# Allegro board S071AA-0413-20260427_Power3.brd (continued)
## Routing (per net, layer and track width the routed paths; a pad name or vN(x,y) marks a point on that pad's centre or on a via; arc(x,y) is an arc through that point) (continued)
; D109.B6 264.43,328.47 ; 195.85,372.57 D115.A4 ; D115.A4 196.66,373.38 ; D115.A4 195.04,373.38 ; D115.A4 195.85,374.19 ; 126.46,40.64 D124.B16 ; D124.B16 128.08,40.64 ; D124.B16 127.27,39.83 ; D124.B16 127.27,41.45 ; D110.B2 274.59,348.79 ; D110.B2 275.4,347.98 ; D110.B2 274.59,347.17 ; D110.B2 273.78,347.98 ; D428.A1 129.81,407.21 ; D428.A1 129,406.4 ; D428.A1 130.62,406.4 ; D428.A1 129.81,405.59 ; 251.73,334.47 D109.A11 ; D109.A11 250.92,335.28 ; D109.A11 251.73,336.09 ; D109.A11 252.54,335.28 ; UHC430.G2_5 45.53,364.51 ; UHC430.G2_5 44.72,363.7 ; UHC430.G2_5 46.34,363.7 ; UHC430.G2_5 45.53,362.89 ; D228.A17 89.17,397.05 ; D228.A17 88.36,396.24 ; D228.A17 89.98,396.24 ; D228.A17 89.17,395.43 ; D114.A12 175.53,353.87 ; D114.A12 175.53,352.25 ; D114.A12 176.34,353.06 ; D114.A12 174.72,353.06 ; D107.B16 275.4,60.96 ; D107.B16 273.78,60.96 ; D107.B16 274.59,60.15 ; D107.B16 274.59,61.77 ; D228.A5 120.46,396.24 ; D228.A5 118.84,396.24 ; D228.A5 119.65,397.05 ; D228.A5 119.65,395.43 ; 19.18,354.48 UHC230.G4_1 ; UHC230.G4_1 18.37,355.29 ; UHC230.G4_1 19.99,355.29 ; UHC230.G4_1 19.18,356.1 ; D120.A10 39.18,35.56 ; D120.A10 38.37,36.37 ; D120.A10 37.56,35.56 ; D120.A10 38.37,34.75 ; D121.B8 107.76,101.6 ; D121.B8 106.14,101.6 ; D121.B8 106.95,102.41 ; D121.B8 106.95,100.79 ; D122.A10 112.84,76.2 ; D122.A10 112.03,75.39 ; D122.A10 111.22,76.2 ; D122.A10 112.03,77.01 ; D432.B17 16.32,401.32 ; D432.B17 14.7,401.32 ; D432.B17 15.51,400.51 ; D432.B17 15.51,402.13 ; 23.13,397.97 D432.B14 ; D432.B14 23.13,399.59 ; D432.B14 23.94,398.78 ; D432.B14 22.32,398.78 ; 246.65,354.79 D110.A13 ; D110.A13 246.65,356.41 ; D110.A13 245.84,355.6 ; D110.A13 247.46,355.6 ; 114.57,52.53 D123.A11 ; D123.A11 114.57,54.15 ; D123.A11 113.76,53.34 ; D123.A11 115.38,53.34 ; CSDPS225.B12 102.68,332.74 ; CSDPS225.B12 101.87,331.93 ; CSDPS225.B12 101.87,333.55 ; CSDPS225.B12 101.06,332.74 ; 45.99,37.29 D120.B13 ; D120.B13 45.99,38.91 ; D120.B13 46.8,38.1 ; D120.B13 45.18,38.1 ; UHC430.G1_3 14.58,366.26 ; UHC430.G1_3 14.58,364.64 ; UHC430.G1_3 13.77,365.45 ; UHC430.G1_3 15.39,365.45 ; D118.A1 16.32,73.66 ; D118.A1 14.7,73.66 ; D118.A1 15.51,72.85 ; D118.A1 15.51,74.47 ; D103.B16 201.74,60.96 ; D103.B16 200.12,60.96 ; D103.B16 200.93,60.15 ; D103.B16 200.93,61.77 ; 187.42,38.1 D104.B11 ; D104.B11 188.23,38.91 ; D104.B11 189.04,38.1 ; D104.B11 188.23,37.29 ; 266.97,329.39 D109.B5 ; D109.B5 267.78,330.2 ; D109.B5 266.97,331.01 ; D109.B5 266.16,330.2 ; D107.B2 239.84,60.96 ; D107.B2 239.03,61.77 ; D107.B2 239.03,60.15 ; D107.B2 238.22,60.96 ; D431.B9 35.83,381.81 ; D431.B9 35.02,381 ; D431.B9 35.83,380.19 ; D431.B9 36.64,381 ; 118.84,58.42 D123.B13 ; D123.B13 120.46,58.42 ; D123.B13 119.65,57.61 ; D123.B13 119.65,59.23 ; 101.06,398.78 D428.B12 ; D428.B12 101.87,399.59 ; D428.B12 101.87,397.97 ; D428.B12 102.68,398.78 ; DPS8.B01 56.96,412.75 ; DPS8.B01 56.15,411.94 ; DPS8.B01 55.34,412.75 ; DPS8.B01 56.15,413.56 ; CSDPS226.B6 117.92,353.06 ; CSDPS226.B6 117.11,353.87 ; CSDPS226.B6 117.11,352.25 ; CSDPS226.B6 116.3,353.06 ; 99.33,329.39 CSDPS225.C13 ; CSDPS225.C13 98.52,330.2 ; CSDPS225.C13 100.14,330.2 ; CSDPS225.C13 99.33,331.01 ; 124.73,13.16 DPS3.A15 ; DPS3.A15 125.54,13.97 ; DPS3.A15 124.73,14.78 ; DPS3.A15 123.92,13.97 ; D113.B14 171.26,327.66 ; D113.B14 170.45,326.85 ; D113.B14 169.64,327.66 ; D113.B14 170.45,328.47 ; D113.B4 196.66,327.66 ; D113.B4 195.85,328.47 ; D113.B4 195.85,326.85 ; D113.B4 195.04,327.66 ; D227.B17 89.17,371.65 ; D227.B17 89.98,370.84 ; D227.B17 89.17,370.03 ; D227.B17 88.36,370.84 ; 178.07,334.47 D113.A11 ; D113.A11 178.07,336.09 ; D113.A11 177.26,335.28 ; D113.A11 178.88,335.28 ; D431.B15 20.59,381.81 ; D431.B15 19.78,381 ; D431.B15 20.59,380.19 ; D431.B15 21.4,381 ; 268.7,96.52 D105.A14 ; D105.A14 270.32,96.52 ; D105.A14 269.51,95.71 ; D105.A14 269.51,97.33 ; 52.8,383.54 D431.A2 ; D431.A2 54.42,383.54 ; D431.A2 53.61,384.35 ; D431.A2 53.61,382.73 ; 178.07,349.71 D114.B11 ; D114.B11 178.88,350.52 ; D114.B11 178.07,351.33 ; D114.B11 177.26,350.52 ; 25.67,375.11 D231.A13 ; D231.A13 24.86,375.92 ; D231.A13 26.48,375.92 ; D231.A13 25.67,376.73 ; 245.84,16.51 DPS1.B05 ; DPS1.B05 246.65,15.7 ; DPS1.B05 247.46,16.51 ; DPS1.B05 246.65,17.32 ; 99.33,395.43 D228.A13 ; D228.A13 99.33,397.05 ; D228.A13 100.14,396.24 ; D228.A13 98.52,396.24 ; 258.54,60.96 D107.B10 ; D107.B10 259.35,61.77 ; D107.B10 260.16,60.96 ; D107.B10 259.35,60.15 ; D432.B8 38.37,399.59 ; D432.B8 38.37,397.97 ; D432.B8 37.56,398.78 ; D432.B8 39.18,398.78 ; 200.12,393.7 D116.A2 ; D116.A2 200.93,392.89 ; D116.A2 200.93,394.51 ; D116.A2 201.74,393.7 ; 202.66,355.6 D114.A1 ; D114.A1 203.47,356.41 ; D114.A1 204.28,355.6 ; D114.A1 203.47,354.79 ; D231.B5 45.99,371.65 ; D231.B5 46.8,370.84 ; D231.B5 45.18,370.84 ; D231.B5 45.99,370.03 ; D112.A12 249.19,394.51 ; D112.A12 249.19,392.89 ; D112.A12 248.38,393.7 ; D112.A12 250,393.7 ; 167.1,370.84 D115.B15 ; D115.B15 167.91,371.65 ; D115.B15 168.72,370.84 ; D115.B15 167.91,370.03 ; 30.75,380.19 D431.B11 ; D431.B11 29.94,381 ; D431.B11 31.56,381 ; D431.B11 30.75,381.81 ; 244.11,75.39 D106.A4 ; D106.A4 244.11,77.01 ; D106.A4 244.92,76.2 ; D106.A4 243.3,76.2 ; D116.B6 191.58,388.62 ; D116.B6 189.96,388.62 ; D116.B6 190.77,389.43 ; D116.B6 190.77,387.81 ; D427.A15 94.25,386.89 ; D427.A15 95.06,386.08 ; D427.A15 94.25,385.27 ; D427.A15 93.44,386.08 ; 167.91,409.4 DPS2.C15 ; DPS2.C15 167.91,411.02 ; DPS2.C15 168.72,410.21 ; DPS2.C15 167.1,410.21 ; D118.A9 35.83,74.47 ; D118.A9 35.83,72.85 ; D118.A9 35.02,73.66 ; D118.A9 36.64,73.66 ; 112.03,372.57 D227.A8 ; D227.A8 112.84,373.38 ; D227.A8 112.03,374.19 ; D227.A8 111.22,373.38 ; 18.37,365.45 UHC430.G1_1 ; UHC430.G1_1 19.18,364.64 ; UHC430.G1_1 19.18,366.26 ; UHC430.G1_1 19.99,365.45 ; 246.65,32.21 D108.A5 ; D108.A5 247.46,33.02 ; D108.A5 245.84,33.02 ; D108.A5 246.65,33.83 ; D113.B3 198.39,331.01 ; D113.B3 199.2,330.2 ; D113.B3 198.39,329.39 ; D113.B3 197.58,330.2 ; D116.B8 186.5,388.62 ; D116.B8 184.88,388.62 ; D116.B8 185.69,387.81 ; D116.B8 185.69,389.43 ; 258.54,81.28 D106.B10 ; D106.B10 260.16,81.28 ; D106.B10 259.35,82.09 ; D106.B10 259.35,80.47 ; D232.A13 25.67,397.05 ; D232.A13 25.67,395.43 ; D232.A13 26.48,396.24 ; D232.A13 24.86,396.24 ; 165.37,34.75 D104.A2 ; D104.A2 165.37,36.37 ; D104.A2 166.18,35.56 ; D104.A2 164.56,35.56 ; 40.1,38.1 D120.B11 ; D120.B11 41.72,38.1 ; D120.B11 40.91,38.91 ; D120.B11 40.91,37.29 ; 202.66,412.75 DPS2.B01 ; DPS2.B01 203.47,411.94 ; DPS2.B01 203.47,413.56 ; DPS2.B01 204.28,412.75 ; 192.5,38.1 D104.B13 ; D104.B13 194.12,38.1 ; D104.B13 193.31,38.91 ; D104.B13 193.31,37.29 ; 198.39,375.11 D115.A3 ; D115.A3 197.58,375.92 ; D115.A3 198.39,376.73 ; D115.A3 199.2,375.92 ; 47.02,350.04 UHC230.G3_9 ; UHC230.G3_9 47.83,349.23 ; UHC230.G3_9 48.64,350.04 ; UHC230.G3_9 47.83,350.85 ; 123.92,99.06 D121.B15 ; D121.B15 125.54,99.06 ; D121.B15 124.73,98.25 ; D121.B15 124.73,99.87 ; D115.A8 186.5,373.38 ; D115.A8 184.88,373.38 ; D115.A8 185.69,374.19 ; D115.A8 185.69,372.57 ; 122.19,39.83 D124.B14 ; D124.B14 123,40.64 ; D124.B14 121.38,40.64 ; D124.B14 122.19,41.45 ; D101.A3 167.91,94.79 ; D101.A3 167.91,93.17 ; D101.A3 168.72,93.98 ; D101.A3 167.1,93.98 ; 238.22,327.66 D109.B16 ; D109.B16 239.03,326.85 ; D109.B16 239.84,327.66 ; D109.B16 239.03,328.47 ; D113.A7 188.23,336.09 ; D113.A7 188.23,334.47 ; D113.A7 189.04,335.28 ; D113.A7 187.42,335.28 ; D111.A16 239.03,374.19 ; D111.A16 238.22,373.38 ; D111.A16 239.84,373.38 ; D111.A16 239.03,372.57 ; D124.B10 112.03,41.45 ; D124.B10 112.84,40.64 ; D124.B10 112.03,39.83 ; D124.B10 111.22,40.64 ; D119.A14 48.53,56.69 ; D119.A14 47.72,55.88 ; D119.A14 49.34,55.88 ; D119.A14 48.53,55.07 ; D116.B15 168.72,391.16 ; D116.B15 167.91,390.35 ; D116.B15 167.91,391.97 ; D116.B15 167.1,391.16 ; 126.46,378.46 D427.B2 ; D427.B2 128.08,378.46 ; D427.B2 127.27,379.27 ; D427.B2 127.27,377.65 ; 121.38,55.88 D123.A14 ; D123.A14 122.19,56.69 ; D123.A14 123,55.88 ; D123.A14 122.19,55.07 ; D102.A3 168.72,73.66 ; D102.A3 167.91,72.85 ; D102.A3 167.1,73.66 ; D102.A3 167.91,74.47 ; 25.67,52.53 D119.A5 ; D119.A5 24.86,53.34 ; D119.A5 26.48,53.34 ; D119.A5 25.67,54.15 ; CSDPS426.C1 130.62,360.68 ; CSDPS426.C1 129.81,361.49 ; CSDPS426.C1 129.81,359.87 ; CSDPS426.C1 129,360.68 ; D106.B2 239.84,81.28 ; D106.B2 239.03,82.09 ; D106.B2 238.22,81.28 ; D106.B2 239.03,80.47 ; D227.A13 100.14,375.92 ; D227.A13 99.33,375.11 ; D227.A13 98.52,375.92 ; D227.A13 99.33,376.73 ; UHC230.G3_1 48.98,356.1 ; UHC230.G3_1 48.98,354.48 ; UHC230.G3_1 49.79,355.29 ; UHC230.G3_1 48.17,355.29 ; D116.A15 168.72,396.24 ; D116.A15 167.1,396.24 ; D116.A15 167.91,397.05 ; D116.A15 167.91,395.43 ; D116.B16 165.37,389.43 ; D116.B16 165.37,387.81 ; D116.B16 166.18,388.62 ; D116.B16 164.56,388.62 ; D104.A10 186.5,35.56 ; D104.A10 185.69,36.37 ; D104.A10 185.69,34.75 ; D104.A10 184.88,35.56 ; D227.B15 95.06,370.84 ; D227.B15 94.25,371.65 ; D227.B15 93.44,370.84 ; D227.B15 94.25,370.03 ; D116.B11 178.88,391.16 ; D116.B11 177.26,391.16 ; D116.B11 178.07,391.97 ; D116.B11 178.07,390.35 ; 114.57,339.55 CSDPS425.C7 ; CSDPS425.C7 114.57,341.17 ; CSDPS425.C7 115.38,340.36 ; CSDPS425.C7 113.76,340.36 ; 106.14,35.56 D124.A8 ; D124.A8 106.95,36.37 ; D124.A8 106.95,34.75 ; D124.A8 107.76,35.56 ; CSDPS429.C3 51.07,341.17 ; CSDPS429.C3 51.88,340.36 ; CSDPS429.C3 51.07,339.55 ; CSDPS429.C3 50.26,340.36 ; 121.38,342.9 CSDPS425.B4 ; CSDPS425.B4 122.19,343.71 ; CSDPS425.B4 123,342.9 ; CSDPS425.B4 122.19,342.09 ; D104.B6 175.53,41.45 ; D104.B6 176.34,40.64 ; D104.B6 175.53,39.83 ; D104.B6 174.72,40.64 ; D110.A12 250,353.06 ; D110.A12 249.19,352.25 ; D110.A12 248.38,353.06 ; D110.A12 249.19,353.87 ; 95.98,373.38 D227.A14 ; D227.A14 97.6,373.38 ; D227.A14 96.79,372.57 ; D227.A14 96.79,374.19 ; D428.B10 107.76,398.78 ; D428.B10 106.95,399.59 ; D428.B10 106.95,397.97 ; D428.B10 106.14,398.78 ; D114.A4 196.66,353.06 ; D114.A4 195.85,352.25 ; D114.A4 195.04,353.06 ; D114.A4 195.85,353.87 ; 101.87,382.73 D427.A12 ; D427.A12 101.06,383.54 ; D427.A12 102.68,383.54 ; D427.A12 101.87,384.35 ; CSDPS229.B14 23.13,333.55 ; CSDPS229.B14 23.94,332.74 ; CSDPS229.B14 23.13,331.93 ; CSDPS229.B14 22.32,332.74 ; 183.15,370.03 D115.B9 ; D115.B9 183.15,371.65 ; D115.B9 183.96,370.84 ; D115.B9 182.34,370.84 ; D116.A11 178.07,397.05 ; D116.A11 177.26,396.24 ; D116.A11 178.88,396.24 ; D116.A11 178.07,395.43 ; 197.58,93.98 D101.A15 ; D101.A15 198.39,93.17 ; D101.A15 199.2,93.98 ; D101.A15 198.39,94.79 ; 89.17,37.29 D124.B1 ; D124.B1 88.36,38.1 ; D124.B1 89.98,38.1 ; D124.B1 89.17,38.91 ; 15.51,32.21 D120.A1 ; D120.A1 14.7,33.02 ; D120.A1 15.51,33.83 ; D120.A1 16.32,33.02 ; UHC230.G4_8 15.39,351.79 ; UHC230.G4_8 13.77,351.79 ; UHC230.G4_8 14.58,350.98 ; UHC230.G4_8 14.58,352.6 ; 40.91,375.11 D231.A7 ; D231.A7 41.72,375.92 ; D231.A7 40.1,375.92 ; D231.A7 40.91,376.73 ; D110.B13 247.46,350.52 ; D110.B13 246.65,349.71 ; D110.B13 245.84,350.52 ; D110.B13 246.65,351.33 ; DPS3.B11 114.57,17.32 ; DPS3.B11 113.76,16.51 ; DPS3.B11 115.38,16.51 ; DPS3.B11 114.57,15.7 ; CSDPS426.B10 107.76,363.22 ; CSDPS426.B10 106.95,362.41 ; CSDPS426.B10 106.14,363.22 ; CSDPS426.B10 106.95,364.03 ; CSDPS425.B6 117.92,342.9 ; CSDPS425.B6 117.11,343.71 ; CSDPS425.B6 117.11,342.09 ; CSDPS425.B6 116.3,342.9 ; UHC230.G4_6 19.99,351.79 ; UHC230.G4_6 19.18,352.6 ; UHC230.G4_6 19.18,350.98 ; UHC230.G4_6 18.37,351.79 ; D228.B3 125.54,391.16 ; D228.B3 124.73,390.35 ; D228.B3 123.92,391.16 ; D228.B3 124.73,391.97 ; D431.A13 26.48,386.08 ; D431.A13 24.86,386.08 ; D431.A13 25.67,385.27 ; D431.A13 25.67,386.89 ; D231.A2 54.42,373.38 ; D231.A2 52.8,373.38 ; D231.A2 53.61,374.19 ; D231.A2 53.61,372.57 ; 29.94,396.24 D232.A11 ; D232.A11 30.75,395.43 ; D232.A11 31.56,396.24 ; D232.A11 30.75,397.05 ; 195.04,76.2 D102.A14 ; D102.A14 196.66,76.2 ; D102.A14 195.85,77.01 ; D102.A14 195.85,75.39 ; 238.22,347.98 D110.B16 ; D110.B16 239.84,347.98 ; D110.B16 239.03,348.79 ; D110.B16 239.03,347.17 ; D105.B14 269.51,102.41 ; D105.B14 270.32,101.6 ; D105.B14 269.51,100.79 ; D105.B14 268.7,101.6 ; 111.22,383.54 D427.A8 ; D427.A8 112.03,382.73 ; D427.A8 112.84,383.54 ; D427.A8 112.03,384.35 ; 45.99,411.94 DPS8.B05 ; DPS8.B05 46.8,412.75 ; DPS8.B05 45.99,413.56 ; DPS8.B05 45.18,412.75 ; D427.B16 92.52,378.46 ; D427.B16 90.9,378.46 ; D427.B16 91.71,379.27 ; D427.B16 91.71,377.65 ; 50.26,375.92 D231.A3 ; D231.A3 51.07,376.73 ; D231.A3 51.88,375.92 ; D231.A3 51.07,375.11 ; D121.B6 101.87,102.41 ; D121.B6 101.06,101.6 ; D121.B6 101.87,100.79 ; D121.B6 102.68,101.6 ; 203.47,329.39 D113.B1 ; D113.B1 204.28,330.2 ; D113.B1 203.47,331.01 ; D113.B1 202.66,330.2 ; D231.A14 23.13,374.19 ; D231.A14 23.94,373.38 ; D231.A14 23.13,372.57 ; D231.A14 22.32,373.38 ; D109.A4 269.51,333.55 ; D109.A4 269.51,331.93 ; D109.A4 268.7,332.74 ; D109.A4 270.32,332.74 ; 47.72,378.46 D431.B4 ; D431.B4 48.53,379.27 ; D431.B4 49.34,378.46 ; D431.B4 48.53,377.65 ; 241.57,57.61 D107.B3 ; D107.B3 241.57,59.23 ; D107.B3 240.76,58.42 ; D107.B3 242.38,58.42 ; 18.05,342.09 CSDPS429.B16 ; CSDPS429.B16 17.24,342.9 ; CSDPS429.B16 18.05,343.71 ; CSDPS429.B16 18.86,342.9 ; 45.99,400.51 D432.B5 ; D432.B5 46.8,401.32 ; D432.B5 45.99,402.13 ; D432.B5 45.18,401.32 ; 127.27,367.49 D227.B2 ; D227.B2 128.08,368.3 ; D227.B2 127.27,369.11 ; D227.B2 126.46,368.3 ; UHC430.G2_10 46.34,360.2 ; UHC430.G2_10 44.72,360.2 ; UHC430.G2_10 45.53,361.01 ; UHC430.G2_10 45.53,359.39 ; D432.A2 54.42,403.86 ; D432.A2 53.61,404.67 ; D432.A2 53.61,403.05 ; D432.A2 52.8,403.86 ; D102.A8 181.42,76.2 ; D102.A8 180.61,77.01 ; D102.A8 180.61,75.39 ; D102.A8 179.8,76.2 ; D431.A9 36.64,386.08 ; D431.A9 35.83,385.27 ; D431.A9 35.02,386.08 ; D431.A9 35.83,386.89 ; D108.B5 247.46,38.1 ; D108.B5 246.65,38.91 ; D108.B5 245.84,38.1 ; D108.B5 246.65,37.29 ; D101.B16 201.74,101.6 ; D101.B16 200.93,100.79 ; D101.B16 200.12,101.6 ; D101.B16 200.93,102.41 ; 91.71,60.15 D123.B2 ; D123.B2 91.71,61.77 ; D123.B2 92.52,60.96 ; D123.B2 90.9,60.96 ; 172.99,77.93 D102.B5 ; D102.B5 173.8,78.74 ; D102.B5 172.99,79.55 ; D102.B5 172.18,78.74 ; 258.54,373.38 D111.A8 ; D111.A8 259.35,374.19 ; D111.A8 260.16,373.38 ; D111.A8 259.35,372.57 ; D428.B5 119.65,402.13 ; D428.B5 120.46,401.32 ; D428.B5 119.65,400.51 ; D428.B5 118.84,401.32 ; D106.B15 272.05,79.55 ; D106.B15 272.05,77.93 ; D106.B15 272.86,78.74 ; D106.B15 271.24,78.74 ; 178.07,52.53 D103.A7 ; D103.A7 178.88,53.34 ; D103.A7 177.26,53.34 ; D103.A7 178.07,54.15 ; D108.B1 236.49,38.91 ; D108.B1 237.3,38.1 ; D108.B1 236.49,37.29 ; D108.B1 235.68,38.1 ; 95.98,388.62 D228.B14 ; D228.B14 96.79,389.43 ; D228.B14 97.6,388.62 ; D228.B14 96.79,387.81 ; D231.A12 29.02,373.38 ; D231.A12 28.21,372.57 ; D231.A12 28.21,374.19 ; D231.A12 27.4,373.38 ; D115.B11 178.07,371.65 ; D115.B11 178.07,370.03 ; D115.B11 177.26,370.84 ; D115.B11 178.88,370.84 ; 256.81,93.17 D105.A9 ; D105.A9 257.62,93.98 ; D105.A9 256,93.98 ; D105.A9 256.81,94.79 ; 248.38,96.52 D105.A6 ; D105.A6 249.19,95.71 ; D105.A6 250,96.52 ; D105.A6 249.19,97.33 ; 119.65,349.71 CSDPS226.C5 ; CSDPS226.C5 118.84,350.52 ; CSDPS226.C5 119.65,351.33 ; CSDPS226.C5 120.46,350.52 ; CSDPS225.B16 91.71,333.55 ; CSDPS225.B16 92.52,332.74 ; CSDPS225.B16 90.9,332.74 ; CSDPS225.B16 91.71,331.93 ; 88.36,78.74 D122.B1 ; D122.B1 89.17,77.93 ; D122.B1 89.98,78.74 ; D122.B1 89.17,79.55 ; 182.34,330.2 D113.B9 ; D113.B9 183.96,330.2 ; D113.B9 183.15,329.39 ; D113.B9 183.15,331.01 ; 111.22,368.3 D227.B8 ; D227.B8 112.03,367.49 ; D227.B8 112.03,369.11 ; D227.B8 112.84,368.3 ; 40.91,329.39 CSDPS229.C7 ; CSDPS229.C7 40.1,330.2 ; CSDPS229.C7 40.91,331.01 ; CSDPS229.C7 41.72,330.2 ; D115.A16 166.18,373.38 ; D115.A16 164.56,373.38 ; D115.A16 165.37,374.19 ; D115.A16 165.37,372.57 ; D103.A13 193.31,54.15 ; D103.A13 193.31,52.53 ; D103.A13 192.5,53.34 ; D103.A13 194.12,53.34 ; D432.B7 40.91,402.13 ; D432.B7 41.72,401.32 ; D432.B7 40.1,401.32 ; D432.B7 40.91,400.51 ; 254.27,352.25 D110.A10 ; D110.A10 255.08,353.06 ; D110.A10 254.27,353.87 ; D110.A10 253.46,353.06 ; UHC230.G3_3 44.38,356.1 ; UHC230.G3_3 45.19,355.29 ; UHC230.G3_3 44.38,354.48 ; UHC230.G3_3 43.57,355.29 ; 17.24,388.62 D232.B16 ; D232.B16 18.86,388.62 ; D232.B16 18.05,389.43 ; D232.B16 18.05,387.81 ; 258.54,327.66 D109.B8 ; D109.B8 259.35,328.47 ; D109.B8 259.35,326.85 ; D109.B8 260.16,327.66 ; 17.24,35.56 D120.A2 ; D120.A2 18.05,34.75 ; D120.A2 18.05,36.37 ; D120.A2 18.86,35.56 ; 240.76,78.74 D106.B3 ; D106.B3 241.57,77.93 ; D106.B3 241.57,79.55 ; D106.B3 242.38,78.74 ; D107.A12 264.43,56.69 ; D107.A12 264.43,55.07 ; D107.A12 265.24,55.88 ; D107.A12 263.62,55.88 ; D232.B11 30.75,391.97 ; D232.B11 30.75,390.35 ; D232.B11 29.94,391.16 ; D232.B11 31.56,391.16 ; D110.A8 259.35,353.87 ; D110.A8 259.35,352.25 ; D110.A8 258.54,353.06 ; D110.A8 260.16,353.06 ; 35.02,330.2 CSDPS229.C9 ; CSDPS229.C9 36.64,330.2 ; CSDPS229.C9 35.83,331.01 ; CSDPS229.C9 35.83,329.39 ; 90.9,35.56 D124.A2 ; D124.A2 92.52,35.56 ; D124.A2 91.71,34.75 ; D124.A2 91.71,36.37 ; 195.04,60.96 D103.B14 ; D103.B14 195.85,60.15 ; D103.B14 195.85,61.77 ; D103.B14 196.66,60.96 ; D115.A7 189.04,375.92 ; D115.A7 188.23,375.11 ; D115.A7 187.42,375.92 ; D115.A7 188.23,376.73 ; 264.43,39.83 D108.B12 ; D108.B12 265.24,40.64 ; D108.B12 263.62,40.64 ; D108.B12 264.43,41.45 ; 164.56,393.7 D116.A16 ; D116.A16 165.37,392.89 ; D116.A16 165.37,394.51 ; D116.A16 166.18,393.7 ; CSDPS225.C3 125.54,330.2 ; CSDPS225.C3 124.73,329.39 ; CSDPS225.C3 124.73,331.01 ; CSDPS225.C3 123.92,330.2 ; 174.72,60.96 D103.B6 ; D103.B6 176.34,60.96 ; D103.B6 175.53,60.15 ; D103.B6 175.53,61.77 ; 27.4,378.46 D431.B12 ; D431.B12 29.02,378.46 ; D431.B12 28.21,379.27 ; D431.B12 28.21,377.65 ; 261.89,37.29 D108.B11 ; D108.B11 261.08,38.1 ; D108.B11 261.89,38.91 ; D108.B11 262.7,38.1 ; D101.B15 199.2,99.06 ; D101.B15 198.39,98.25 ; D101.B15 198.39,99.87 ; D101.B15 197.58,99.06 ; 122.19,392.89 D228.A4 ; D228.A4 123,393.7 ; D228.A4 121.38,393.7 ; D228.A4 122.19,394.51 ; D432.A11 30.75,407.21 ; D432.A11 31.56,406.4 ; D432.A11 30.75,405.59 ; D432.A11 29.94,406.4 ; D110.A5 266.97,356.41 ; D110.A5 266.16,355.6 ; D110.A5 266.97,354.79 ; D110.A5 267.78,355.6 ; 114.57,98.25 D121.B11 ; D121.B11 115.38,99.06 ; D121.B11 113.76,99.06 ; D121.B11 114.57,99.87 ; 42.64,383.54 D431.A6 ; D431.A6 43.45,384.35 ; D431.A6 44.26,383.54 ; D431.A6 43.45,382.73 ; 51.07,380.19 D431.B3 ; D431.B3 50.26,381 ; D431.B3 51.07,381.81 ; D431.B3 51.88,381 ; D232.B1 56.96,391.16 ; D232.B1 56.15,390.35 ; D232.B1 56.15,391.97 ; D232.B1 55.34,391.16 ; D102.A16 200.93,77.01 ; D102.A16 200.12,76.2 ; D102.A16 200.93,75.39 ; D102.A16 201.74,76.2 ; 29.94,401.32 D432.B11 ; D432.B11 31.56,401.32 ; D432.B11 30.75,400.51 ; D432.B11 30.75,402.13 ; D228.A15 94.25,397.05 ; D228.A15 93.44,396.24 ; D228.A15 95.06,396.24 ; D228.A15 94.25,395.43 ; D120.B10 39.18,40.64 ; D120.B10 38.37,39.83 ; D120.B10 38.37,41.45 ; D120.B10 37.56,40.64 ; D428.A10 107.76,403.86 ; D428.A10 106.95,404.67 ; D428.A10 106.95,403.05 ; D428.A10 106.14,403.86 ; D124.B2 91.71,41.45 ; D124.B2 91.71,39.83 ; D124.B2 90.9,40.64 ; D124.B2 92.52,40.64 ; D428.A15 95.06,406.4 ; D428.A15 93.44,406.4 ; D428.A15 94.25,407.21 ; D428.A15 94.25,405.59 ; D431.A1 56.15,386.89 ; D431.A1 55.34,386.08 ; D431.A1 56.96,386.08 ; D431.A1 56.15,385.27 ; 129.81,375.11 D227.A1 ; D227.A1 129,375.92 ; D227.A1 130.62,375.92 ; D227.A1 129.81,376.73 ; 123.92,375.92 D227.A3 ; D227.A3 124.73,376.73 ; D227.A3 124.73,375.11 ; D227.A3 125.54,375.92 ; D428.B11 104.41,402.13 ; D428.B11 104.41,400.51 ; D428.B11 105.22,401.32 ; D428.B11 103.6,401.32 ; D105.A7 252.54,93.98 ; D105.A7 251.73,94.79 ; D105.A7 250.92,93.98 ; D105.A7 251.73,93.17 ; D104.B3 168.72,38.1 ; D104.B3 167.91,37.29 ; D104.B3 167.1,38.1 ; D104.B3 167.91,38.91 ; D122.B6 101.87,82.09 ; D122.B6 102.68,81.28 ; D122.B6 101.87,80.47 ; D122.B6 101.06,81.28 ; D112.A11 251.73,397.05 ; D112.A11 252.54,396.24 ; D112.A11 250.92,396.24 ; D112.A11 251.73,395.43 ; D124.A1 89.17,33.83 ; D124.A1 88.36,33.02 ; D124.A1 89.98,33.02 ; D124.A1 89.17,32.21 ; D110.A3 272.05,356.41 ; D110.A3 272.86,355.6 ; D110.A3 271.24,355.6 ; D110.A3 272.05,354.79 ; 119.65,390.35 D228.B5 ; D228.B5 118.84,391.16 ; D228.B5 119.65,391.97 ; D228.B5 120.46,391.16 ; D114.B13 173.8,350.52 ; D114.B13 172.99,349.71 ; D114.B13 172.18,350.52 ; D114.B13 172.99,351.33 ; D122.A9 110.3,73.66 ; D122.A9 109.49,74.47 ; D122.A9 109.49,72.85 ; D122.A9 108.68,73.66 ; 187.42,350.52 D114.B7 ; D114.B7 188.23,351.33 ; D114.B7 189.04,350.52 ; D114.B7 188.23,349.71 ; 174.72,35.56 D104.A6 ; D104.A6 175.53,34.75 ; D104.A6 175.53,36.37 ; D104.A6 176.34,35.56 ; D124.A6 101.87,36.37 ; D124.A6 101.87,34.75 ; D124.A6 101.06,35.56 ; D124.A6 102.68,35.56 ; 195.04,101.6 D101.B14 ; D101.B14 195.85,102.41 ; D101.B14 196.66,101.6 ; D101.B14 195.85,100.79 ; D103.B8 180.61,61.77 ; D103.B8 180.61,60.15 ; D103.B8 179.8,60.96 ; D103.B8 181.42,60.96 ; 202.66,396.24 D116.A1 ; D116.A1 204.28,396.24 ; D116.A1 203.47,395.43 ; D116.A1 203.47,397.05 ; UHC430.G1_5 15.73,364.51 ; UHC430.G1_5 14.92,363.7 ; UHC430.G1_5 15.73,362.89 ; UHC430.G1_5 16.54,363.7 ; 33.29,39.83 D120.B8 ; D120.B8 33.29,41.45 ; D120.B8 34.1,40.64 ; D120.B8 32.48,40.64 ; D112.B6 264.43,389.43 ; D112.B6 265.24,388.62 ; D112.B6 263.62,388.62 ; D112.B6 264.43,387.81 ; 33.29,342.09 CSDPS429.B10 ; CSDPS429.B10 34.1,342.9 ; CSDPS429.B10 32.48,342.9 ; CSDPS429.B10 33.29,343.71 ; 89.17,98.25 D121.B1 ; D121.B1 89.98,99.06 ; D121.B1 88.36,99.06 ; D121.B1 89.17,99.87 ; 29.94,38.1 D120.B7 ; D120.B7 30.75,38.91 ; D120.B7 30.75,37.29 ; D120.B7 31.56,38.1 ; D123.B6 101.87,61.77 ; D123.B6 101.87,60.15 ; D123.B6 102.68,60.96 ; D123.B6 101.06,60.96 ; 47.72,332.74 CSDPS229.B4 ; CSDPS229.B4 48.53,333.55 ; CSDPS229.B4 48.53,331.93 ; CSDPS229.B4 49.34,332.74 ; 93.44,401.32 D428.B15 ; D428.B15 94.25,400.51 ; D428.B15 95.06,401.32 ; D428.B15 94.25,402.13 ; D108.A10 259.35,36.37 ; D108.A10 259.35,34.75 ; D108.A10 260.16,35.56 ; D108.A10 258.54,35.56 ; 192.5,396.24 D116.A5 ; D116.A5 193.31,397.05 ; D116.A5 193.31,395.43 ; D116.A5 194.12,396.24 ; CSDPS425.C11 105.22,340.36 ; CSDPS425.C11 104.41,339.55 ; CSDPS425.C11 104.41,341.17 ; CSDPS425.C11 103.6,340.36 ; 179.8,393.7 D116.A10 ; D116.A10 180.61,394.51 ; D116.A10 181.42,393.7 ; D116.A10 180.61,392.89 ; D428.A12 101.87,404.67 ; D428.A12 101.87,403.05 ; D428.A12 101.06,403.86 ; D428.A12 102.68,403.86 ; D112.A13 247.46,396.24 ; D112.A13 246.65,397.05 ; D112.A13 246.65,395.43 ; D112.A13 245.84,396.24 ; 19.78,340.36 CSDPS429.C15 ; CSDPS429.C15 20.59,341.17 ; CSDPS429.C15 20.59,339.55 ; CSDPS429.C15 21.4,340.36 ; 256,370.84 D111.B9 ; D111.B9 256.81,370.03 ; D111.B9 256.81,371.65 ; D111.B9 257.62,370.84 ; 126.46,403.86 D428.A2 ; D428.A2 127.27,404.67 ; D428.A2 128.08,403.86 ; D428.A2 127.27,403.05 ; D115.B12 175.53,369.11 ; D115.B12 175.53,367.49 ; D115.B12 174.72,368.3 ; D115.B12 176.34,368.3 ; 122.19,362.41 CSDPS426.B4 ; CSDPS426.B4 122.19,364.03 ; CSDPS426.B4 123,363.22 ; CSDPS426.B4 121.38,363.22 ; CSDPS229.B10 34.1,332.74 ; CSDPS229.B10 33.29,333.55 ; CSDPS229.B10 32.48,332.74 ; CSDPS229.B10 33.29,331.93 ; D102.A15 199.2,73.66 ; D102.A15 197.58,73.66 ; D102.A15 198.39,74.47 ; D102.A15 198.39,72.85 ; 165.37,326.85 D113.B16 ; D113.B16 166.18,327.66 ; D113.B16 165.37,328.47 ; D113.B16 164.56,327.66 ; 129.81,390.35 D228.B1 ; D228.B1 129.81,391.97 ; D228.B1 129,391.16 ; D228.B1 130.62,391.16 ; 259.35,331.93 D109.A8 ; D109.A8 259.35,333.55 ; D109.A8 258.54,332.74 ; D109.A8 260.16,332.74 ; D119.A7 30.75,54.15 ; D119.A7 31.56,53.34 ; D119.A7 29.94,53.34 ; D119.A7 30.75,52.53 ; 19.78,396.24 D232.A15 ; D232.A15 21.4,396.24 ; D232.A15 20.59,397.05 ; D232.A15 20.59,395.43 ; 126.46,96.52 D121.A16 ; D121.A16 128.08,96.52 ; D121.A16 127.27,97.33 ; D121.A16 127.27,95.71 ; D428.A16 91.71,404.67 ; D428.A16 92.52,403.86 ; D428.A16 90.9,403.86 ; D428.A16 91.71,403.05 ; UHC430.G2_3 45.19,365.45 ; UHC430.G2_3 43.57,365.45 ; UHC430.G2_3 44.38,364.64 ; UHC430.G2_3 44.38,366.26 ; 167.91,52.53 D103.A3 ; D103.A3 167.1,53.34 ; D103.A3 167.91,54.15 ; D103.A3 168.72,53.34 ; UHC230.G4_11 19.99,348.29 ; UHC230.G4_11 19.18,349.1 ; UHC230.G4_11 18.37,348.29 ; UHC230.G4_11 19.18,347.48 ; 20.59,370.03 D231.B15 ; D231.B15 20.59,371.65 ; D231.B15 19.78,370.84 ; D231.B15 21.4,370.84 ; CSDPS229.C5 46.8,330.2 ; CSDPS229.C5 45.18,330.2 ; CSDPS229.C5 45.99,329.39 ; CSDPS229.C5 45.99,331.01 ; D109.B1 277.94,330.2 ; D109.B1 277.13,329.39 ; D109.B1 277.13,331.01 ; D109.B1 276.32,330.2 ; 19.78,386.08 D431.A15 ; D431.A15 20.59,385.27 ; D431.A15 21.4,386.08 ; D431.A15 20.59,386.89 ; D428.B7 115.38,401.32 ; D428.B7 114.57,402.13 ; D428.B7 114.57,400.51 ; D428.B7 113.76,401.32 ; 121.38,373.38 D227.A4 ; D227.A4 122.19,372.57 ; D227.A4 123,373.38 ; D227.A4 122.19,374.19 ; D116.B3 198.39,391.97 ; D116.B3 198.39,390.35 ; D116.B3 197.58,391.16 ; D116.B3 199.2,391.16 ; D104.A16 201.74,35.56 ; D104.A16 200.93,34.75 ; D104.A16 200.93,36.37 ; D104.A16 200.12,35.56 ; 14.58,354.48 UHC230.G4_3 ; UHC230.G4_3 13.77,355.29 ; UHC230.G4_3 15.39,355.29 ; UHC230.G4_3 14.58,356.1 ; D104.A15 198.39,33.83 ; D104.A15 199.2,33.02 ; D104.A15 197.58,33.02 ; D104.A15 198.39,32.21 ; D231.B8 39.18,368.3 ; D231.B8 38.37,367.49 ; D231.B8 37.56,368.3 ; D231.B8 38.37,369.11 ; 174.72,327.66 D113.B12 ; D113.B12 176.34,327.66 ; D113.B12 175.53,328.47 ; D113.B12 175.53,326.85 ; DPS3.C11 114.57,19.86 ; DPS3.C11 114.57,18.24 ; DPS3.C11 115.38,19.05 ; DPS3.C11 113.76,19.05 ; D122.B7 104.41,79.55 ; D122.B7 104.41,77.93 ; D122.B7 103.6,78.74 ; D122.B7 105.22,78.74 ; 47.72,393.7 D232.A4 ; D232.A4 49.34,393.7 ; D232.A4 48.53,392.89 ; D232.A4 48.53,394.51 ; 98.52,401.32 D428.B13 ; D428.B13 99.33,400.51 ; D428.B13 100.14,401.32 ; D428.B13 99.33,402.13 ; 243.3,81.28 D106.B4 ; D106.B4 244.11,82.09 ; D106.B4 244.92,81.28 ; D106.B4 244.11,80.47 ; 118.84,360.68 CSDPS426.C5 ; CSDPS426.C5 119.65,359.87 ; CSDPS426.C5 120.46,360.68 ; CSDPS426.C5 119.65,361.49 ; 123.92,78.74 D122.B15 ; D122.B15 124.73,77.93 ; D122.B15 125.54,78.74 ; D122.B15 124.73,79.55 ; 268.7,353.06 D110.A4 ; D110.A4 269.51,352.25 ; D110.A4 269.51,353.87 ; D110.A4 270.32,353.06 ; 14.7,396.24 D232.A17 ; D232.A17 15.51,397.05 ; D232.A17 16.32,396.24 ; D232.A17 15.51,395.43 ; 169.64,40.64 D104.B4 ; D104.B4 170.45,41.45 ; D104.B4 171.26,40.64 ; D104.B4 170.45,39.83 ; D227.A12 101.87,374.19 ; D227.A12 101.06,373.38 ; D227.A12 102.68,373.38 ; D227.A12 101.87,372.57 ; 127.27,60.15 D123.B16 ; D123.B16 127.27,61.77 ; D123.B16 126.46,60.96 ; D123.B16 128.08,60.96 ; CSDPS425.C5 120.46,340.36 ; CSDPS425.C5 119.65,341.17 ; CSDPS425.C5 119.65,339.55 ; CSDPS425.C5 118.84,340.36 ; UHC230.G3_13 44.38,349.1 ; UHC230.G3_13 44.38,347.48 ; UHC230.G3_13 45.19,348.29 ; UHC230.G3_13 43.57,348.29 ; 103.6,386.08 D427.A11 ; D427.A11 104.41,386.89 ; D427.A11 104.41,385.27 ; D427.A11 105.22,386.08 ; D427.A9 109.49,386.89 ; D427.A9 108.68,386.08 ; D427.A9 110.3,386.08 ; D427.A9 109.49,385.27 ; CSDPS425.C9 109.49,341.17 ; CSDPS425.C9 110.3,340.36 ; CSDPS425.C9 109.49,339.55 ; CSDPS425.C9 108.68,340.36 ; D432.A4 48.53,404.67 ; D432.A4 49.34,403.86 ; D432.A4 48.53,403.05 ; D432.A4 47.72,403.86 ; D227.A11 105.22,375.92 ; D227.A11 104.41,375.11 ; D227.A11 104.41,376.73 ; D227.A11 103.6,375.92 ; CSDPS225.C11 104.41,331.01 ; CSDPS225.C11 103.6,330.2 ; CSDPS225.C11 104.41,329.39 ; CSDPS225.C11 105.22,330.2 ; D115.B8 186.5,368.3 ; D115.B8 184.88,368.3 ; D115.B8 185.69,367.49 ; D115.B8 185.69,369.11 ; D121.A2 91.71,97.33 ; D121.A2 92.52,96.52 ; D121.A2 91.71,95.71 ; D121.A2 90.9,96.52 ; D110.A2 274.59,353.87 ; D110.A2 274.59,352.25 ; D110.A2 275.4,353.06 ; D110.A2 273.78,353.06 ; 40.1,386.08 D431.A7 ; D431.A7 41.72,386.08 ; D431.A7 40.91,386.89 ; D431.A7 40.91,385.27 ; 126.46,373.38 D227.A2 ; D227.A2 127.27,372.57 ; D227.A2 127.27,374.19 ; D227.A2 128.08,373.38 ; D105.A8 254.27,97.33 ; D105.A8 255.08,96.52 ; D105.A8 254.27,95.71 ; D105.A8 253.46,96.52 ; 96.79,75.39 D122.A4 ; D122.A4 96.79,77.01 ; D122.A4 97.6,76.2 ; D122.A4 95.98,76.2 ; 261.89,15.7 DPS1.B11 ; DPS1.B11 262.7,16.51 ; DPS1.B11 261.89,17.32 ; DPS1.B11 261.08,16.51 ; 261.89,93.17 D105.A11 ; D105.A11 262.7,93.98 ; D105.A11 261.08,93.98 ; D105.A11 261.89,94.79 ; 202.66,391.16 D116.B1 ; D116.B1 203.47,390.35 ; D116.B1 204.28,391.16 ; D116.B1 203.47,391.97 ; 235.68,93.98 D105.A1 ; D105.A1 236.49,94.79 ; D105.A1 236.49,93.17 ; D105.A1 237.3,93.98 ; 178.07,93.17 D101.A7 ; D101.A7 177.26,93.98 ; D101.A7 178.88,93.98 ; D101.A7 178.07,94.79 ; D118.A13 46.8,73.66 ; D118.A13 45.18,73.66 ; D118.A13 45.99,72.85 ; D118.A13 45.99,74.47 ; D108.B10 259.35,41.45 ; D108.B10 260.16,40.64 ; D108.B10 258.54,40.64 ; D108.B10 259.35,39.83 ; 177.26,78.74 D102.B7 ; D102.B7 178.07,79.55 ; D102.B7 178.88,78.74 ; D102.B7 178.07,77.93 ; 188.23,93.17 D101.A11 ; D101.A11 187.42,93.98 ; D101.A11 188.23,94.79 ; D101.A11 189.04,93.98 ; 245.84,19.05 DPS1.C05 ; DPS1.C05 246.65,19.86 ; DPS1.C05 247.46,19.05 ; DPS1.C05 246.65,18.24 ; 239.03,39.83 D108.B2 ; D108.B2 238.22,40.64 ; D108.B2 239.03,41.45 ; D108.B2 239.84,40.64 ; CSDPS426.C7 115.38,360.68 ; CSDPS426.C7 114.57,361.49 ; CSDPS426.C7 114.57,359.87 ; CSDPS426.C7 113.76,360.68 ; 172.18,370.84 D115.B13 ; D115.B13 172.99,371.65 ; D115.B13 173.8,370.84 ; D115.B13 172.99,370.03 ; D427.B15 95.06,381 ; D427.B15 94.25,381.81 ; D427.B15 94.25,380.19 ; D427.B15 93.44,381 ; D122.B11 115.38,78.74 ; D122.B11 114.57,77.93 ; D122.B11 113.76,78.74 ; D122.B11 114.57,79.55 ; 264.43,372.57 D111.A6 ; D111.A6 263.62,373.38 ; D111.A6 264.43,374.19 ; D111.A6 265.24,373.38 ; CSDPS426.C11 104.41,361.49 ; CSDPS426.C11 104.41,359.87 ; CSDPS426.C11 103.6,360.68 ; CSDPS426.C11 105.22,360.68 ; D111.A12 250,373.38 ; D111.A12 249.19,372.57 ; D111.A12 248.38,373.38 ; D111.A12 249.19,374.19 ; D111.A5 267.78,375.92 ; D111.A5 266.16,375.92 ; D111.A5 266.97,375.11 ; D111.A5 266.97,376.73 ; 98.52,386.08 D427.A13 ; D427.A13 99.33,386.89 ; D427.A13 99.33,385.27 ; D427.A13 100.14,386.08 ; 123.92,360.68 CSDPS426.C3 ; CSDPS426.C3 124.73,359.87 ; CSDPS426.C3 125.54,360.68 ; CSDPS426.C3 124.73,361.49 ; 43.45,55.07 D119.A12 ; D119.A12 42.64,55.88 ; D119.A12 43.45,56.69 ; D119.A12 44.26,55.88 ; D104.B12 191.58,40.64 ; D104.B12 189.96,40.64 ; D104.B12 190.77,39.83 ; D104.B12 190.77,41.45 ; 253.46,388.62 D112.B10 ; D112.B10 255.08,388.62 ; D112.B10 254.27,389.43 ; D112.B10 254.27,387.81 ; D106.A16 275.4,76.2 ; D106.A16 274.59,75.39 ; D106.A16 274.59,77.01 ; D106.A16 273.78,76.2 ; D101.A13 193.31,94.79 ; D101.A13 192.5,93.98 ; D101.A13 193.31,93.17 ; D101.A13 194.12,93.98 ; 183.15,57.61 D103.B9 ; D103.B9 183.96,58.42 ; D103.B9 182.34,58.42 ; D103.B9 183.15,59.23 ; CSDPS225.C15 95.06,330.2 ; CSDPS225.C15 93.44,330.2 ; CSDPS225.C15 94.25,331.01 ; CSDPS225.C15 94.25,329.39 ; 94.25,32.21 D124.A3 ; D124.A3 94.25,33.83 ; D124.A3 93.44,33.02 ; D124.A3 95.06,33.02 ; D124.A4 97.6,35.56 ; D124.A4 96.79,36.37 ; D124.A4 95.98,35.56 ; D124.A4 96.79,34.75 ; D228.A10 106.95,394.51 ; D228.A10 106.14,393.7 ; D228.A10 106.95,392.89 ; D228.A10 107.76,393.7 ; D120.B6 28.21,41.45 ; D120.B6 27.4,40.64 ; D120.B6 28.21,39.83 ; D120.B6 29.02,40.64 ; 103.6,350.52 CSDPS226.C11 ; CSDPS226.C11 105.22,350.52 ; CSDPS226.C11 104.41,351.33 ; CSDPS226.C11 104.41,349.71 ; CSDPS226.B16 92.52,353.06 ; CSDPS226.B16 91.71,353.87 ; CSDPS226.B16 91.71,352.25 ; CSDPS226.B16 90.9,353.06 ; D123.B15 124.73,59.23 ; D123.B15 123.92,58.42 ; D123.B15 125.54,58.42 ; D123.B15 124.73,57.61 ; 172.18,33.02 D104.A5 ; D104.A5 172.99,32.21 ; D104.A5 173.8,33.02 ; D104.A5 172.99,33.83 ; D122.B8 106.95,82.09 ; D122.B8 107.76,81.28 ; D122.B8 106.95,80.47 ; D122.B8 106.14,81.28 ; D102.B2 166.18,81.28 ; D102.B2 164.56,81.28 ; D102.B2 165.37,82.09 ; D102.B2 165.37,80.47 ; 88.36,73.66 D122.A1 ; D122.A1 89.17,74.47 ; D122.A1 89.17,72.85 ; D122.A1 89.98,73.66 ; 272.05,349.71 D110.B3 ; D110.B3 272.05,351.33 ; D110.B3 272.86,350.52 ; D110.B3 271.24,350.52 ; 96.79,362.41 CSDPS426.B14 ; CSDPS426.B14 96.79,364.03 ; CSDPS426.B14 97.6,363.22 ; CSDPS426.B14 95.98,363.22 ; D106.B11 262.7,78.74 ; D106.B11 261.89,77.93 ; D106.B11 261.08,78.74 ; D106.B11 261.89,79.55 ; 106.14,388.62 D228.B10 ; D228.B10 106.95,387.81 ; D228.B10 107.76,388.62 ; D228.B10 106.95,389.43 ; 174.72,81.28 D102.B6 ; D102.B6 175.53,80.47 ; D102.B6 176.34,81.28 ; D102.B6 175.53,82.09 ; 167.91,414.48 DPS2.A15 ; DPS2.A15 167.1,415.29 ; DPS2.A15 167.91,416.1 ; DPS2.A15 168.72,415.29 ; 198.39,370.03 D115.B3 ; D115.B3 198.39,371.65 ; D115.B3 197.58,370.84 ; D115.B3 199.2,370.84 ; 167.1,335.28 D113.A15 ; D113.A15 167.91,334.47 ; D113.A15 168.72,335.28 ; D113.A15 167.91,336.09 ; D110.B9 256.81,351.33 ; D110.B9 256,350.52 ; D110.B9 257.62,350.52 ; D110.B9 256.81,349.71 ; 264.43,367.49 D111.B6 ; D111.B6 264.43,369.11 ; D111.B6 263.62,368.3 ; D111.B6 265.24,368.3 ; 238.22,353.06 D110.A16 ; D110.A16 239.84,353.06 ; D110.A16 239.03,352.25 ; D110.A16 239.03,353.87 ; D108.A12 264.43,36.37 ; D108.A12 265.24,35.56 ; D108.A12 263.62,35.56 ; D108.A12 264.43,34.75 ; 185.69,80.47 D102.B10 ; D102.B10 184.88,81.28 ; D102.B10 185.69,82.09 ; D102.B10 186.5,81.28 ; 101.87,352.25 CSDPS226.B12 ; CSDPS226.B12 101.06,353.06 ; CSDPS226.B12 101.87,353.87 ; CSDPS226.B12 102.68,353.06 ; 32.48,398.78 D432.B10 ; D432.B10 33.29,399.59 ; D432.B10 33.29,397.97 ; D432.B10 34.1,398.78 ; CSDPS429.C13 25.67,341.17 ; CSDPS429.C13 25.67,339.55 ; CSDPS429.C13 24.86,340.36 ; CSDPS429.C13 26.48,340.36 ; D428.A7 115.38,406.4 ; D428.A7 114.57,407.21 ; D428.A7 113.76,406.4 ; D428.A7 114.57,405.59 ; D114.A16 165.37,353.87 ; D114.A16 164.56,353.06 ; D114.A16 166.18,353.06 ; D114.A16 165.37,352.25 ; DPS3.B01 89.98,16.51 ; DPS3.B01 89.17,15.7 ; DPS3.B01 88.36,16.51 ; DPS3.B01 89.17,17.32 ; 266.97,98.25 D105.B13 ; D105.B13 267.78,99.06 ; D105.B13 266.16,99.06 ; D105.B13 266.97,99.87 ; 248.38,60.96 D107.B6 ; D107.B6 249.19,61.77 ; D107.B6 249.19,60.15 ; D107.B6 250,60.96 ; 109.49,77.93 D122.B9 ; D122.B9 110.3,78.74 ; D122.B9 109.49,79.55 ; D122.B9 108.68,78.74 ; 55.34,415.29 DPS8.A01 ; DPS8.A01 56.15,414.48 ; DPS8.A01 56.96,415.29 ; DPS8.A01 56.15,416.1 ; 106.95,382.73 D427.A10 ; D427.A10 107.76,383.54 ; D427.A10 106.14,383.54 ; D427.A10 106.95,384.35 ; D103.B2 165.37,61.77 ; D103.B2 165.37,60.15 ; D103.B2 166.18,60.96 ; D103.B2 164.56,60.96 ; UHC230.G4_10 16.54,350.04 ; UHC230.G4_10 15.73,350.85 ; UHC230.G4_10 14.92,350.04 ; UHC230.G4_10 15.73,349.23 ; 46.68,350.98 UHC230.G3 ; UHC230.G3 45.87,351.79 ; UHC230.G3 47.49,351.79 ; UHC230.G3 46.68,352.6 ; D228.A1 130.62,396.24 ; D228.A1 129.81,395.43 ; D228.A1 129,396.24 ; D228.A1 129.81,397.05 ; D110.A15 242.38,355.6 ; D110.A15 241.57,354.79 ; D110.A15 240.76,355.6 ; D110.A15 241.57,356.41 ; D102.A7 178.07,74.47 ; D102.A7 177.26,73.66 ; D102.A7 178.88,73.66 ; D102.A7 178.07,72.85 ; D228.A7 114.57,397.05 ; D228.A7 114.57,395.43 ; D228.A7 113.76,396.24 ; D228.A7 115.38,396.24 ; 40.1,58.42 D119.B11 ; D119.B11 41.72,58.42 ; D119.B11 40.91,59.23 ; D119.B11 40.91,57.61 ; DPS2.C05 193.31,411.02 ; DPS2.C05 194.12,410.21 ; DPS2.C05 193.31,409.4 ; DPS2.C05 192.5,410.21 ; 195.04,332.74 D113.A4 ; D113.A4 195.85,331.93 ; D113.A4 196.66,332.74 ; D113.A4 195.85,333.55 ; 112.03,403.05 D428.A8 ; D428.A8 111.22,403.86 ; D428.A8 112.84,403.86 ; D428.A8 112.03,404.67 ; DPS2.B05 194.12,412.75 ; DPS2.B05 192.5,412.75 ; DPS2.B05 193.31,413.56 ; DPS2.B05 193.31,411.94 ; 104.41,72.85 D122.A7 ; D122.A7 103.6,73.66 ; D122.A7 104.41,74.47 ; D122.A7 105.22,73.66 ; 243.3,388.62 D112.B14 ; D112.B14 244.11,389.43 ; D112.B14 244.92,388.62 ; D112.B14 244.11,387.81 ; D116.A3 199.2,396.24 ; D116.A3 198.39,395.43 ; D116.A3 198.39,397.05 ; D116.A3 197.58,396.24 ; D122.B2 91.71,82.09 ; D122.B2 92.52,81.28 ; D122.B2 90.9,81.28 ; D122.B2 91.71,80.47 ; 119.65,93.17 D121.A13 ; D121.A13 119.65,94.79 ; D121.A13 118.84,93.98 ; D121.A13 120.46,93.98 ; DPS1.A05 246.65,14.78 ; DPS1.A05 246.65,13.16 ; DPS1.A05 247.46,13.97 ; DPS1.A05 245.84,13.97 ; 50.26,73.66 D118.A15 ; D118.A15 51.07,74.47 ; D118.A15 51.07,72.85 ; D118.A15 51.88,73.66 ; 274.59,100.79 D105.B16 ; D105.B16 275.4,101.6 ; D105.B16 274.59,102.41 ; D105.B16 273.78,101.6 ; CSDPS425.B2 128.08,342.9 ; CSDPS425.B2 126.46,342.9 ; CSDPS425.B2 127.27,342.09 ; CSDPS425.B2 127.27,343.71 ; D108.B13 266.97,38.91 ; D108.B13 266.97,37.29 ; D108.B13 267.78,38.1 ; D108.B13 266.16,38.1 ; D105.B15 272.05,99.87 ; D105.B15 272.05,98.25 ; D105.B15 271.24,99.06 ; D105.B15 272.86,99.06 ; 184.88,327.66 D113.B8 ; D113.B8 185.69,328.47 ; D113.B8 185.69,326.85 ; D113.B8 186.5,327.66 ; D232.A2 54.42,393.7 ; D232.A2 53.61,392.89 ; D232.A2 52.8,393.7 ; D232.A2 53.61,394.51 ; D114.A9 183.15,356.41 ; D114.A9 182.34,355.6 ; D114.A9 183.96,355.6 ; D114.A9 183.15,354.79 ; D113.B6 190.77,328.47 ; D113.B6 189.96,327.66 ; D113.B6 191.58,327.66 ; D113.B6 190.77,326.85 ; 178.07,37.29 D104.B7 ; D104.B7 178.88,38.1 ; D104.B7 178.07,38.91 ; D104.B7 177.26,38.1 ; D109.B9 256.81,331.01 ; D109.B9 256.81,329.39 ; D109.B9 256,330.2 ; D109.B9 257.62,330.2 ; 272.05,334.47 D109.A3 ; D109.A3 272.86,335.28 ; D109.A3 272.05,336.09 ; D109.A3 271.24,335.28 ; CSDPS225.C9 109.49,331.01 ; CSDPS225.C9 109.49,329.39 ; CSDPS225.C9 108.68,330.2 ; CSDPS225.C9 110.3,330.2 ; CSDPS226.C3 125.54,350.52 ; CSDPS226.C3 123.92,350.52 ; CSDPS226.C3 124.73,349.71 ; CSDPS226.C3 124.73,351.33 ; 45.53,352.73 UHC230.G3_5 ; UHC230.G3_5 44.72,353.54 ; UHC230.G3_5 46.34,353.54 ; UHC230.G3_5 45.53,354.35 ; CSDPS225.B2 127.27,333.55 ; CSDPS225.B2 128.08,332.74 ; CSDPS225.B2 127.27,331.93 ; CSDPS225.B2 126.46,332.74 ; 261.89,32.21 D108.A11 ; D108.A11 262.7,33.02 ; D108.A11 261.89,33.83 ; D108.A11 261.08,33.02 ; 104.41,390.35 D228.B11 ; D228.B11 103.6,391.16 ; D228.B11 105.22,391.16 ; D228.B11 104.41,391.97 ; D106.A14 269.51,77.01 ; D106.A14 269.51,75.39 ; D106.A14 270.32,76.2 ; D106.A14 268.7,76.2 ; 162.02,93.98 D101.A1 ; D101.A1 162.83,94.79 ; D101.A1 163.64,93.98 ; D101.A1 162.83,93.17 ; 104.41,57.61 D123.B7 ; D123.B7 105.22,58.42 ; D123.B7 104.41,59.23 ; D123.B7 103.6,58.42 ; D115.B4 195.85,369.11 ; D115.B4 195.04,368.3 ; D115.B4 195.85,367.49 ; D115.B4 196.66,368.3 ; D112.B4 270.32,388.62 ; D112.B4 268.7,388.62 ; D112.B4 269.51,389.43 ; D112.B4 269.51,387.81 ; D113.A2 200.93,333.55 ; D113.A2 201.74,332.74 ; D113.A2 200.93,331.93 ; D113.A2 200.12,332.74 ; 35.02,33.02 D120.A9 ; D120.A9 35.83,33.83 ; D120.A9 35.83,32.21 ; D120.A9 36.64,33.02 ; 17.24,55.88 D119.A2 ; D119.A2 18.05,55.07 ; D119.A2 18.86,55.88 ; D119.A2 18.05,56.69 ; 261.08,350.52 D110.B7 ; D110.B7 261.89,351.33 ; D110.B7 262.7,350.52 ; D110.B7 261.89,349.71 ; UHC230.G4_9 18.84,350.04 ; UHC230.G4_9 18.03,349.23 ; UHC230.G4_9 17.22,350.04 ; UHC230.G4_9 18.03,350.85 ; 45.87,348.29 UHC230.G3_12 ; UHC230.G3_12 46.68,349.1 ; UHC230.G3_12 46.68,347.48 ; UHC230.G3_12 47.49,348.29 ; D121.A8 106.95,97.33 ; D121.A8 107.76,96.52 ; D121.A8 106.14,96.52 ; D121.A8 106.95,95.71 ; D116.A6 191.58,393.7 ; D116.A6 189.96,393.7 ; D116.A6 190.77,394.51 ; D116.A6 190.77,392.89 ; 123.92,16.51 DPS3.B15 ; DPS3.B15 124.73,17.32 ; DPS3.B15 125.54,16.51 ; DPS3.B15 124.73,15.7 ; D107.B13 266.97,59.23 ; D107.B13 267.78,58.42 ; D107.B13 266.16,58.42 ; D107.B13 266.97,57.61 ; 235.68,13.97 DPS1.A01 ; DPS1.A01 236.49,14.78 ; DPS1.A01 237.3,13.97 ; DPS1.A01 236.49,13.16 ; D227.A15 95.06,375.92 ; D227.A15 94.25,376.73 ; D227.A15 93.44,375.92 ; D227.A15 94.25,375.11 ; D114.B14 170.45,348.79 ; D114.B14 170.45,347.17 ; D114.B14 169.64,347.98 ; D114.B14 171.26,347.98 ; D116.B7 189.04,391.16 ; D116.B7 188.23,391.97 ; D116.B7 187.42,391.16 ; D116.B7 188.23,390.35 ; D122.A8 106.95,77.01 ; D122.A8 106.14,76.2 ; D122.A8 106.95,75.39 ; D122.A8 107.76,76.2 ; 203.47,409.4 DPS2.C01 ; DPS2.C01 203.47,411.02 ; DPS2.C01 204.28,410.21 ; DPS2.C01 202.66,410.21 ; 256,38.1 D108.B9 ; D108.B9 257.62,38.1 ; D108.B9 256.81,38.91 ; D108.B9 256.81,37.29 ; D122.A16 127.27,77.01 ; D122.A16 126.46,76.2 ; D122.A16 128.08,76.2 ; D122.A16 127.27,75.39 ; D115.A5 193.31,376.73 ; D115.A5 194.12,375.92 ; D115.A5 193.31,375.11 ; D115.A5 192.5,375.92 ; 127.27,352.25 CSDPS226.B2 ; CSDPS226.B2 127.27,353.87 ; CSDPS226.B2 126.46,353.06 ; CSDPS226.B2 128.08,353.06 ; 182.34,53.34 D103.A9 ; D103.A9 183.15,52.53 ; D103.A9 183.96,53.34 ; D103.A9 183.15,54.15 ; CSDPS425.C13 100.14,340.36 ; CSDPS425.C13 99.33,339.55 ; CSDPS425.C13 98.52,340.36 ; CSDPS425.C13 99.33,341.17 ; CSDPS226.C1 129.81,351.33 ; CSDPS226.C1 130.62,350.52 